# KiCad board [DFR1142]Lite Carrier for LattePanda Mu.kicad_pcb
title: Primer Carrier for LattePanda Mu; date: 2024-04-06; rev: V1.0.0; company: DFRobot; note: 20240406
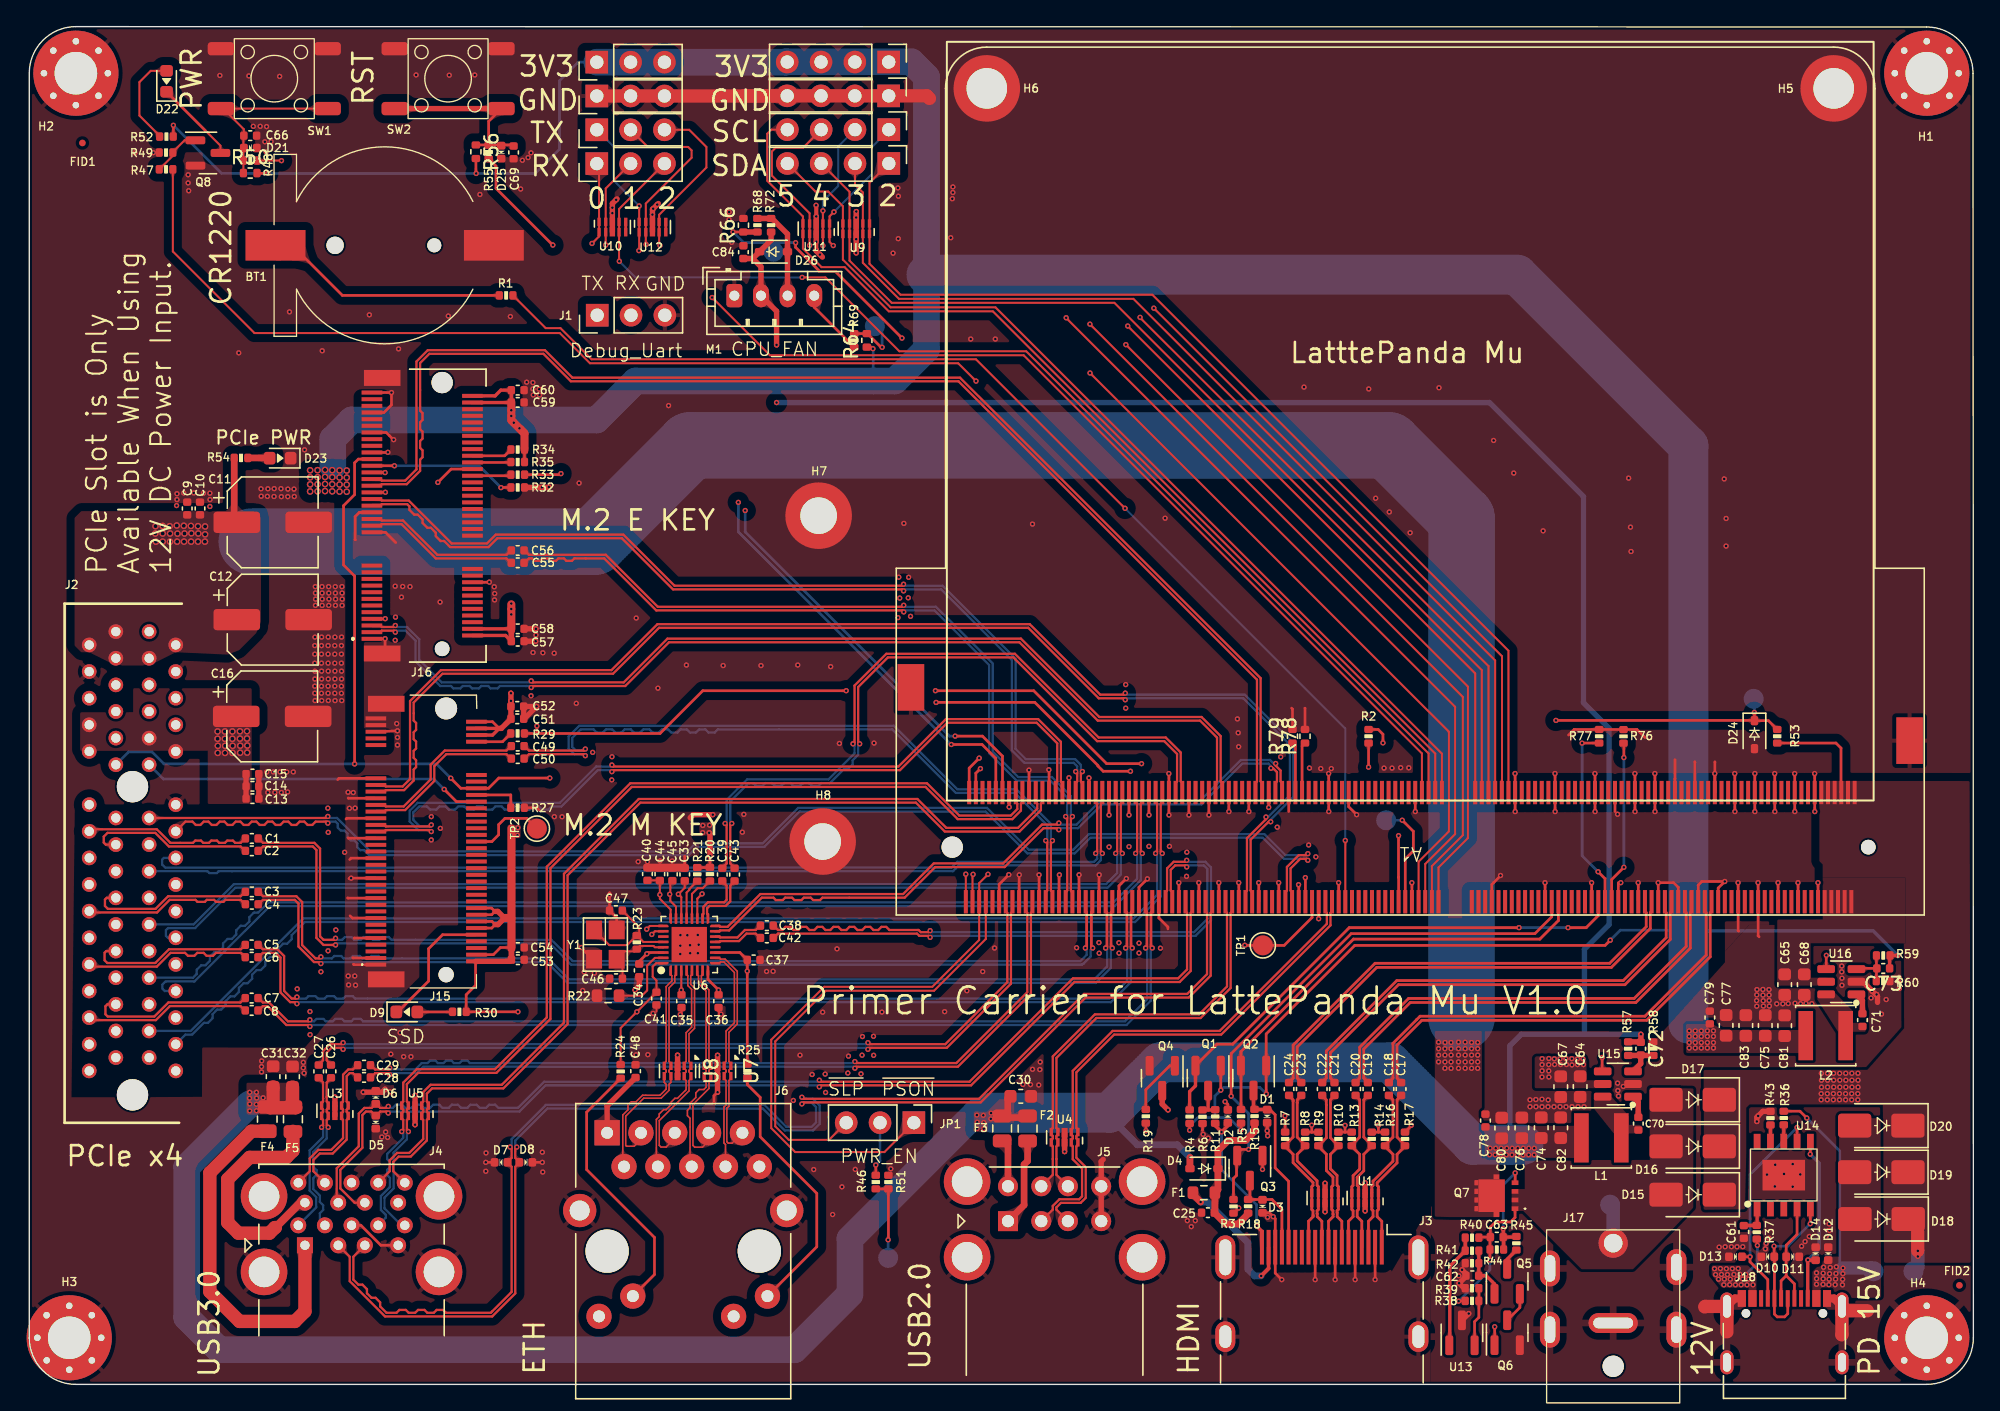
[diagram p0: board, top side]
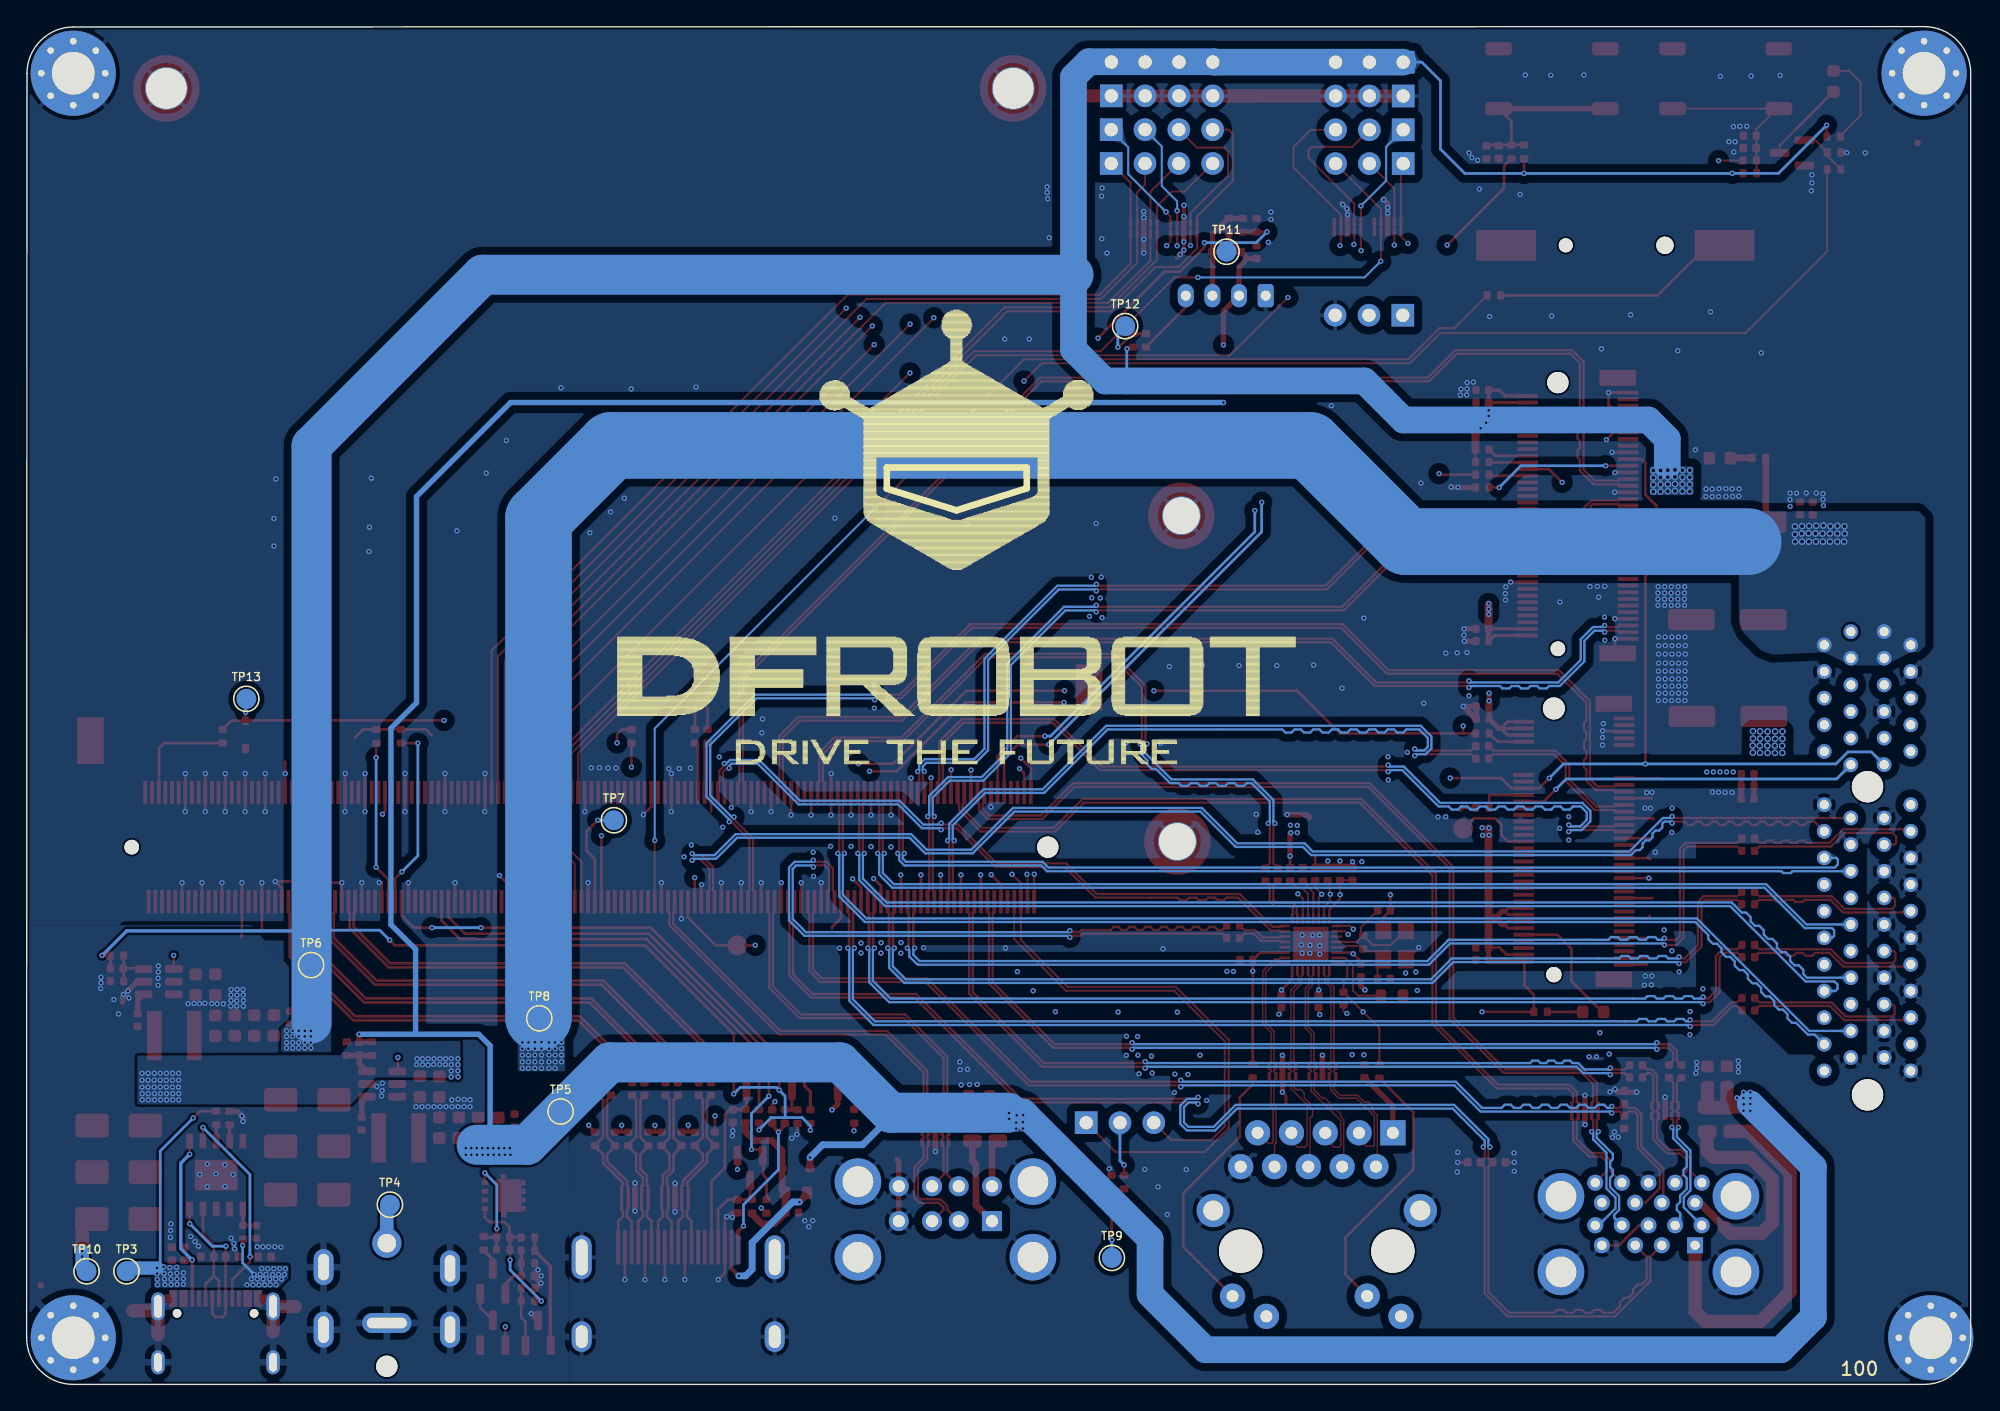
[diagram p1: board, bottom side, seen from below]

Outline 146 x 102 mm; copper layers: Top, In1.GND (plane), In2.PWR (plane), Bottom. Coordinates in mm from the lower left corner of the outline.
Outline path: 0,98.5 arc(1.03,100.97) 3.5,102 142.47,101.97 arc(144.95,100.95) 145.97,98.47 146,3.5 arc(144.97,1.03) 142.5,0 3.5,0 arc(1.03,1.03) 0,3.5 0,98.5
Stack: Top 0.035mm / dielectric 0.2104mm FR4 er 4.5 / In1.GND 0.0152mm / dielectric 1.065mm FR4 er 4.5 / In2.PWR 0.0152mm / dielectric 0.2104mm FR4 er 4.5 / Bottom 0.035mm

## Placement (name value [footprint] x y rotation side)
A1  LattePanda_Mu  [LattePanda_Module_H8.0mm_Horizontal]  103.71 40.36 180 top
BT1  Battery_Cell  [Battery_Holder_CR1220_S8411-45R]  26.69 85.57 270 top
C1  220nF/50V  [C_0402_1005Metric]  16.71 41.01 180 top
C2  220nF/50V  [C_0402_1005Metric]  16.71 40.08 180 top
C3  220nF/50V  [C_0402_1005Metric]  16.71 37 180 top
C4  220nF/50V  [C_0402_1005Metric]  16.71 36.07 180 top
C5  220nF/50V  [C_0402_1005Metric]  16.7 33.02 180 top
C6  220nF/50V  [C_0402_1005Metric]  16.7 32.09 180 top
C7  220nF/50V  [C_0402_1005Metric]  16.7 29.02 180 top
C8  220nF/50V  [C_0402_1005Metric]  16.7 28.09 180 top
C9  100nF/50V  [C_0402_1005Metric]  11.86 65.8 90 top
C10  100nF/50V  [C_0402_1005Metric]  12.82 65.8 90 top
C11  100uF/25V  [CP_Elec_6.3x7.7]  18.28 64.76 0 top
C12  100uF/25V  [CP_Elec_6.3x7.7]  18.28 57.45 0 top
C13  100nF/50V  [C_0402_1005Metric]  16.76 44 180 top
C14  10uF/10V  [C_0402_1005Metric]  16.76 44.93 180 top
C15  100nF/50V  [C_0402_1005Metric]  16.76 45.85 0 top
C16  560uF/25V  [CP_Elec_6.3x7.7]  18.24 50.18 0 top
C17  100nF/50V  [C_0402_1005Metric]  103.02 22.19 270 top
C18  100nF/50V  [C_0402_1005Metric]  102.1 22.19 270 top
C19  100nF/50V  [C_0402_1005Metric]  100.52 22.19 270 top
C20  100nF/50V  [C_0402_1005Metric]  99.6 22.19 270 top
C21  100nF/50V  [C_0402_1005Metric]  98.02 22.19 270 top
C22  100nF/50V  [C_0402_1005Metric]  97.1 22.19 270 top
C23  100nF/50V  [C_0402_1005Metric]  95.53 22.19 270 top
C24  100nF/50V  [C_0402_1005Metric]  94.61 22.19 270 top
C25  100nF/50V  [C_0402_1005Metric]  88.51 12.9 180 top
C26  100nF/50V  [C_0402_1005Metric]  22.66 23.51 270 top
C27  100nF/50V  [C_0402_1005Metric]  21.74 23.51 270 top
C28  100nF/50V  [C_0402_1005Metric]  25.14 23.06 180 top
C29  100nF/50V  [C_0402_1005Metric]  25.14 23.98 180 top
C30  22uF/10V  [C_0603_1608Metric]  74.46 21.64 180 top
C31  22uF/10V  [C_0603_1608Metric]  18.31 23.12 270 top
C32  22uF/10V  [C_0603_1608Metric]  19.77 23.11 270 top
C33  100nF/50V  [C_0402_1005Metric]  49.23 38.31 270 top
C34  100nF/50V  [C_0402_1005Metric]  45.81 31.1 90 top
C35  100nF/50V  [C_0402_1005Metric]  48.98 28.79 90 top
C36  100nF/50V  [C_0402_1005Metric]  51.77 28.79 90 top
C37  100nF/50V  [C_0402_1005Metric]  54.4 31.89 180 top
C38  100nF/50V  [C_0402_1005Metric]  55.39 34.46 0 top
C39  100nF/50V  [C_0402_1005Metric]  52.05 38.3 90 top
C40  100nF/50V  [C_0402_1005Metric]  46.43 38.34 270 top
C41  100nF/50V  [C_0402_1005Metric]  47.1 28.98 90 top
C42  100nF/50V  [C_0402_1005Metric]  55.39 33.54 0 top
C43  100nF/50V  [C_0402_1005Metric]  52.97 38.3 90 top
C44  10uF/10V  [C_0402_1005Metric]  47.36 38.33 270 top
C45  100nF/50V  [C_0402_1005Metric]  48.3 38.32 270 top
C46  12pF/50V  [C_0402_1005Metric]  44.07 30.48 0 top
C47  12pF/50V  [C_0402_1005Metric]  44.06 35.6 0 top
C48  100nF/50V  [C_0402_1005Metric]  45.53 23.53 90 top
C49  220nF/50V  [C_0402_1005Metric]  36.68 47.95 180 top
C50  220nF/50V  [C_0402_1005Metric]  36.68 47.01 180 top
C51  10uF/10V  [C_0402_1005Metric]  36.65 50 180 top
C52  100nF/50V  [C_0402_1005Metric]  36.65 50.93 180 top
C53  10uF/10V  [C_0402_1005Metric]  36.69 31.9 180 top
C54  100nF/50V  [C_0402_1005Metric]  36.69 32.82 180 top
C55  220nF/50V  [C_0402_1005Metric]  36.68 61.72 180 top
C56  220nF/50V  [C_0402_1005Metric]  36.68 62.65 180 top
C57  10uF/10V  [C_0402_1005Metric]  36.68 55.83 180 top
C58  100nF/50V  [C_0402_1005Metric]  36.68 56.76 180 top
C59  10uF/10V  [C_0402_1005Metric]  36.68 73.77 180 top
C60  100nF/50V  [C_0402_1005Metric]  36.68 74.69 180 top
C61  1uF/16V  [C_0402_1005Metric]  128.76 11.45 270 top
C62  1uF/16V  [C_0402_1005Metric]  108.37 8.16 180 top
C63  1uF/16V  [C_0402_1005Metric]  110.21 11.06 180 top
C64  22uF/10V  [C_0603_1608Metric]  116.47 22.37 90 top
C65  22uF/10V  [C_0603_1608Metric]  131.83 30.03 90 top
C66  1uF/16V  [C_0402_1005Metric]  16.59 93.81 0 top
C67  22uF/10V  [C_0603_1608Metric]  115.01 22.36 90 top
C68  22uF/10V  [C_0603_1608Metric]  133.3 30.03 90 top
C69  1uF/16V  [C_0402_1005Metric]  36.37 92.55 270 top
C70  100nF/50V  [C_0402_1005Metric]  120.84 19.59 90 top
C71  100nF/50V  [C_0402_1005Metric]  137.67 27.37 90 top
C72  12pF/50V  [C_0402_1005Metric]  121.02 25.22 270 top  (not fitted)
C73  12pF/50V  [C_0402_1005Metric]  139.23 31.25 180 top  (not fitted)
C74  22uF/10V  [C_0603_1608Metric]  113.55 19.28 270 top
C75  22uF/10V  [C_0603_1608Metric]  130.37 26.96 270 top
C76  22uF/10V  [C_0603_1608Metric]  112.09 19.27 270 top
C77  22uF/10V  [C_0603_1608Metric]  127.43 26.97 270 top
C78  100nF/50V  [C_0402_1005Metric]  109.36 19.82 90 top
C79  100nF/50V  [C_0402_1005Metric]  126.21 27.56 90 top
C80  22uF/10V  [C_0603_1608Metric]  110.58 19.26 270 top
C81  22uF/10V  [C_0603_1608Metric]  131.83 26.94 270 top
C82  22uF/10V  [C_0603_1608Metric]  115.01 19.28 270 top
C83  22uF/10V  [C_0603_1608Metric]  128.91 26.96 270 top
C84  100nF/50V  [C_0402_1005Metric]  53.63 85.06 90 top
D1  ESD5V0B03  [D_0402_1005Metric]  92.96 20.15 90 top
D2  ESD5V0B03  [D_0402_1005Metric]  90.01 20.14 270 top
D3  ESD5V0B03  [D_0402_1005Metric]  92.61 13.38 90 top
D4  1N5819WS  [D_SOD-323]  88.21 16.21 180 top
D5  ESD5V0B03  [D_0402_1005Metric]  26.02 19.7 90 top
D6  ESD5V0B03  [D_0402_1005Metric]  26.02 21.56 270 top
D7  ESD5V0B03  [D_0402_1005Metric]  35.43 16.68 0 top
D8  ESD5V0B03  [D_0402_1005Metric]  37.29 16.68 180 top
D9  LED_G  [LED_0603_1608Metric]  28.35 27.98 0 top
D10  ESD5V0B03  [D_0402_1005Metric]  130.56 9.59 0 top
D11  ESD5V0B03  [D_0402_1005Metric]  132.43 9.59 180 top
D12  PESD24VS1UL-N  [D_0402_1005Metric]  135.1 9.82 90 top
D13  PESD24VS1UL-N  [D_0402_1005Metric]  128.13 9.59 180 top
D14  PESD24VS1UL-N  [D_0402_1005Metric]  134.16 9.81 90 top
D15  SS54  [D_SMA]  124.92 14.25 180 top
D16  SS54  [D_SMA]  124.92 17.88 180 top
D17  SS54  [D_SMA]  124.92 21.38 180 top
D18  SS54  [D_SMA]  139.11 12.42 180 top
D19  SS54  [D_SMA]  139.09 15.94 180 top
D20  SS54  [D_SMA]  139.08 19.44 180 top
D21  ESD5V0B03  [D_0402_1005Metric]  16.6 92.88 180 top
D22  LED_G  [LED_0603_1608Metric]  10.31 97.89 90 top
D23  LED_G  [LED_0603_1608Metric]  18.84 69.58 180 top
D24  3V3 Izt=5mA  [D_SOD-323]  129.56 48.81 270 top
D25  ESD5V0B03  [D_0402_1005Metric]  35.44 92.57 90 top
D26  1N5819WS  [D_SOD-323]  55.89 85.09 0 top
F1  6V/50mA  [R_0603_1608Metric]  88.21 14.4 180 top
F2  6V/1A  [Fuse_0805_2012Metric]  74.97 19.22 270 top
F3  6V/1A  [Fuse_0805_2012Metric]  73.06 19.23 270 top
F4  6V/2A  [R_0805_2012Metric]  17.87 19.93 270 top
F5  6V/2A  [Fuse_0805_2012Metric]  19.8 19.92 270 top
FID1  Fiducial  [Fiducial_0.5mm_Mask1mm]  3.99 93.26 0 top
FID2  Fiducial  [Fiducial_0.5mm_Mask1mm]  144.95 7.44 0 top
H1  MountingHole_Pad  [MountingHole_3.2mm_M3_Pad_Via]  142.5 98.5 0 top
H2  MountingHole_Pad  [MountingHole_3.2mm_M3_Pad_Via]  3.5 98.5 0 top
H3  MountingHole_Pad  [MountingHole_3.2mm_M3_Pad_Via]  3 3.5 0 top
H4  MountingHole_Pad  [MountingHole_3.2mm_M3_Pad_Via]  142.5 3.5 0 top
H5  MountingHole_Pad  [MountingHole_3mm_M2_Pad_TopOnly]  135.51 97.36 180 top
H6  MountingHole_Pad  [MountingHole_3mm_M2_Pad_TopOnly]  71.91 97.36 180 top
H7  MountingHole_M2.0  [MountingHole_2.7mm_M2_Pad_TopOnly]  59.28 65.26 90 top
H8  MountingHole_M2.0  [MountingHole_2.7mm_M2_Pad_TopOnly]  59.58 40.78 90 top
J1  Conn_01x03_Pin  [PinHeader_1x03_P2.54mm_Vertical]  42.65 80.32 90 top
J2  Bus_PCI_Express_x4  [PCIe_x4_Gen3Slot_Connectors]  9 56.55 270 top
J3  HDMI_A  [HDMI_A_Molex_208658-1001_Horizontal]  97.07 7.02 270 top
J4  USB3_A_Stacked  [USB3_A_Molex_48406-0001_Horizontal_Stacked]  20.7 10.45 0 top
J5  USB_A_Stacked  [USB_A_CUI_UJ2-ADH-TH_Horizontal_Stacked]  73.5 12.26 90 top
J6  RJ45_RB1-125B8G1A  [RJ45_UDE_RB1-125B8G1A]  43.4 18.9 0 top
J7  Conn_01x04_Pin  [PinHeader_1x04_P2.54mm_Vertical]  64.55 91.72 270 top
J8  Conn_01x03_Pin  [PinHeader_1x03_P2.54mm_Vertical]  42.62 91.71 90 top
J9  Conn_01x04_Pin  [PinHeader_1x04_P2.54mm_Vertical]  64.55 94.26 270 top
J10  Conn_01x03_Pin  [PinHeader_1x03_P2.54mm_Vertical]  42.62 94.25 90 top
J11  Conn_01x03_Pin  [PinHeader_1x03_P2.54mm_Vertical]  42.62 96.79 90 top
J12  Conn_01x04_Pin  [PinHeader_1x04_P2.54mm_Vertical]  64.54 96.8 270 top
J13  Conn_01x04_Pin  [PinHeader_1x04_P2.54mm_Vertical]  64.54 99.34 270 top
J14  Conn_01x03_Pin  [PinHeader_1x03_P2.54mm_Vertical]  42.62 99.33 90 top
J15  Bus_M.2_Socket_M  [PCIe_M.2_Connectors_P=0.5mm_H=4.2mm_KeyM]  29.61 40.78 90 top
J16  Bus_M.2_Socket_E  [PCIe_M.2_Connectors_P=0.5mm_H=4.2mm_KeyE]  25.73 56.01 90 top
J17  Barrel_Jack_Switch  [DC_Jack_DC007B_30V_10A]  118.95 -1.39 180 top
J18  USB_C_Receptacle_USB2.0  [USB_C_Receptacle_G-Switch_GT-USB-7010ASV]  131.81 2.73 0 top
JP1  Jumper_3_Bridged12  [PinHeader_1x03_P2.54mm_Vertical]  66.43 19.66 270 top
L1  2.2uH/4.3A  [L_Sunlord_SWPA4020S]  118.06 18.52 180 top
L2  2.2uH/4.3A  [L_Sunlord_SWPA4020S]  134.91 26.2 180 top
M1  Fan_4pin  [JST_PH_B4B-PH-K_1x04_P2.00mm_Vertical]  52.95 81.79 0 top
Q1  2N7002  [SOT-23]  88.53 23.01 270 top
Q2  2SK3018  [SOT-23]  91.94 23.01 270 top
Q3  2SK3018  [SOT-23]  91.66 16.25 270 top
Q4  2SK3018  [SOT-23]  85.08 23 270 top
Q5  2N7002  [SOT-23]  110.99 7.74 90 top
Q6  2N7002  [SOT-23]  110.99 3.88 90 top
Q7  NCE30P28Q  [MOSFET_PDFN8_3.3x3.3]  110.18 14.17 90 top
Q8  2N7002  [SOT-23]  13.42 92.51 0 top
R1  1K/1%  [R_0402_1005Metric]  35.81 81.81 180 top
R2  10K/1%  [R_0402_1005Metric]  100.58 48.69 90 top
R3  2.2K/1%  [R_0402_1005Metric]  90.43 13.37 90 top
R4  1M/1%  [R_0402_1005Metric]  87.14 20.12 90 top
R5  2.2K/1%  [R_0402_1005Metric]  91 20.14 90 top
R6  21.5K/1%  [R_0402_1005Metric]  88.11 20.11 270 top
R7  470R/1%  [R_0402_1005Metric]  94.31 18.44 90 top
R8  470R/1%  [R_0402_1005Metric]  95.81 18.44 90 top
R9  470R/1%  [R_0402_1005Metric]  96.81 18.44 90 top
R10  470R/1%  [R_0402_1005Metric]  98.31 18.44 90 top
R11  1K/1%  [R_0402_1005Metric]  89.06 20.13 270 top
R13  470R/1%  [R_0402_1005Metric]  99.31 18.44 90 top
R14  470R/1%  [R_0402_1005Metric]  100.81 18.44 90 top
R15  2.2K/1%  [R_0402_1005Metric]  92.01 20.15 90 top
R16  470R/1%  [R_0402_1005Metric]  101.81 18.44 90 top
R17  470R/1%  [R_0402_1005Metric]  103.31 18.44 90 top
R18  2.2K/1%  [R_0402_1005Metric]  91.53 13.38 90 top
R19  2.2K/1%  [R_0402_1005Metric]  83.85 20.14 90 top
R20  10K/1%  [R_0402_1005Metric]  51.12 38.33 270 top
R21  10K/1%  [R_0402_1005Metric]  50.17 38.32 270 top
R22  2.49K/1%  [R_0603_1608Metric]  43.47 29.2 0 top
R23  1M/1%  [R_0402_1005Metric]  45.62 33.21 90 top
R24  470R/1%  [R_0402_1005Metric]  44.41 23.51 90 top
R25  470R/1%  [R_0402_1005Metric]  53.93 23.55 90 top
R27  0R/1%  [R_0402_1005Metric]  36.67 43.32 0 top
R29  0R/1%  [R_0402_1005Metric]  36.67 48.9 0 top
R30  2.2K/1%  [R_0402_1005Metric]  32.3 27.99 0 top
R32  0R/1%  [R_0402_1005Metric]  36.68 67.38 0 top
R33  0R/1%  [R_0402_1005Metric]  36.68 68.34 0 top
R34  10K/1%  [R_0402_1005Metric]  36.68 70.23 0 top
R35  10K/1%  [R_0402_1005Metric]  36.68 69.29 180 top
R36  10K/1%  [R_0402_1005Metric]  131.76 20.01 270 top
R37  1K/1%  [R_0402_1005Metric]  129.73 11.43 90 top
R38  10K/1%  [R_0402_1005Metric]  108.35 6.27 180 top
R39  2.2K/1%  [R_0402_1005Metric]  108.35 7.22 0 top
R40  10K/1%  [R_0402_1005Metric]  108.35 11.02 0 top
R41  21.5K/1%  [R_0402_1005Metric]  108.35 10.04 180 top
R42  21.5K/1%  [R_0402_1005Metric]  108.35 9.1 0 top
R43  56K/1%  [R_0402_1005Metric]  130.76 20 90 top
R44  100K/1%  [R_0402_1005Metric]  110.21 10.13 180 top
R45  100K/1%  [R_0402_1005Metric]  111.68 10.6 90 top
R46  100R/1%  [R_0402_1005Metric]  63.57 15.2 270 top
R47  1K/1%  [R_0402_1005Metric]  10.27 91.28 180 top
R48  100R/1%  [R_0402_1005Metric]  16.6 91.94 0 top
R49  10K/1%  [R_0402_1005Metric]  10.27 92.54 0 top
R50  10K/1%  [R_0402_1005Metric]  16.59 91 0 top  (not fitted)
R51  100K/1%  [R_0402_1005Metric]  64.52 15.2 270 top
R52  2.2K/1%  [R_0402_1005Metric]  10.3 93.74 0 top
R53  2.2K/1%  [R_0402_1005Metric]  131.27 48.69 90 top
R54  21.5K/1%  [R_0402_1005Metric]  15.9 69.6 0 top
R55  100R/1%  [R_0402_1005Metric]  34.5 92.58 270 top
R56  10K/1%  [R_0402_1005Metric]  33.54 92.6 270 top  (not fitted)
R57  75K/1%  [R_0402_1005Metric]  120.08 25.22 90 top
R58  10K/1%  [R_0402_1005Metric]  121.96 25.22 270 top
R59  21.5K/1%  [R_0402_1005Metric]  139.23 32.22 0 top
R60  4.7K/1%  [R_0402_1005Metric]  139.22 30.3 180 top
R64  4.7K/1%  [R_0402_1005Metric]  62.9 78.43 90 top  (not fitted)
R66  21.5K/1%  [R_0402_1005Metric]  53.63 87.08 90 top  (not fitted)
R68  21.5K/1%  [R_0402_1005Metric]  54.68 87.08 270 top
R69  100R/1%  [R_0402_1005Metric]  61.95 78.43 270 top
R72  4.7K/1%  [R_0402_1005Metric]  55.71 87.08 90 top
R76  100K/1%  [R_0402_1005Metric]  119.73 48.68 90 top
R77  100K/1%  [R_0402_1005Metric]  117.9 48.69 90 top
R78  10K/1%  [R_0402_1005Metric]  95.8 48.69 90 top
R79  10K/1%  [R_0402_1005Metric]  94.86 48.69 90 top
SW1  SW_Push  [SW_Push_6x6x6]  18.4 98.09 180 top
SW2  SW_Push  [SW_Push_6x6x6]  31.45 98.09 180 top
TP1  TestPoint  [TestPoint_Pad_D1.5mm]  92.64 32.98 90 top
TP2  TestPoint  [TestPoint_Pad_D1.5mm]  38.12 41.75 90 top
TP3  TestPoint  [TestPoint_Pad_D1.5mm]  138.5 8.5 180 bottom
TP4  TestPoint  [TestPoint_Pad_D1.5mm]  118.72 13.5 180 bottom
TP5  TestPoint  [TestPoint_Pad_D1.5mm]  105.9 20.5 180 bottom
TP6  TestPoint  [TestPoint_Pad_D1.5mm]  124.64 31.5 180 bottom
TP7  TestPoint  [TestPoint_Pad_D1.5mm]  101.9 42.38 180 bottom
TP8  TestPoint  [TestPoint_Pad_D1.5mm]  107.5 27.5 180 bottom
TP9  TestPoint  [TestPoint_Pad_D1.5mm]  64.5 9.5 180 bottom
TP10  TestPoint  [TestPoint_Pad_D1.5mm]  141.5 8.5 180 bottom
TP11  TestPoint  [TestPoint_Pad_D1.5mm]  55.89 85.09 180 bottom
TP12  TestPoint  [TestPoint_Pad_D1.5mm]  63.5 79.5 180 bottom
TP13  TestPoint  [TestPoint_Pad_D1.5mm]  129.5 51.5 180 bottom
U1  TPAZ1023-04F  [Diodes_UDFN-10_1.0x2.5mm_P0.5mm]  100.32 14 270 top
U2  TPAZ1023-04F  [Diodes_UDFN-10_1.0x2.5mm_P0.5mm]  97.31 14 270 top
U3  ULC0524P  [Diodes_UDFN-10_1.0x2.5mm_P0.5mm]  22.95 20.56 270 top
U4  ULC0524P  [Diodes_UDFN-10_1.0x2.5mm_P0.5mm#2]  77.75 18.57 270 top
U5  ULC0524P  [Diodes_UDFN-10_1.0x2.5mm_P0.5mm]  28.97 20.56 270 top
U6  RTL8111H-CG-RH  [QFN-32-1EP_4x4mm_P0.4mm_EP2.65x2.65mm]  49.57 33.04 90 top
U7  ULC0524P  [Diodes_UDFN-10_1.0x2.5mm_P0.5mm#2]  51.69 23.55 270 top  (not fitted)
U8  ULC0524P  [Diodes_UDFN-10_1.0x2.5mm_P0.5mm#2]  48.69 23.54 270 top  (not fitted)
U9  ULC0524P  [Diodes_UDFN-10_1.0x2.5mm_P0.5mm]  62.1 86.82 270 top
U10  ULC0524P  [Diodes_UDFN-10_1.0x2.5mm_P0.5mm]  43.79 86.94 90 top
U11  ULC0524P  [Diodes_UDFN-10_1.0x2.5mm_P0.5mm]  59.1 86.82 270 top
U12  ULC0524P  [Diodes_UDFN-10_1.0x2.5mm_P0.5mm]  46.8 86.94 90 top
U13  TL431DBZ  [SOT-23]  107.59 3.87 90 top
U14  CH224K  [ESSOP-10-1EP_3.9x5mm_P1.0mm_EP3.2x2.3]  131.76 15.72 90 top
U15  SY8253ADC  [TSOT-23-6]  119.3 22.56 180 top
U16  SY8253ADC  [TSOT-23-6]  136.08 30.25 180 top
Y1  25MHz  [Crystal_SMD_3225-4Pin_3.2x2.5mm]  43.27 33.04 270 top

## Library data of the parts
A1 = -: Description: A micro computing module with x86 processer, RAM and eMMC.; ki_fp_filters: *LattePanda*
BT1 = -: Buy_Link: https://item.szlcsc.com/1049689.html; DF_Comment: CR1220电池底座_BS-12-B3AA003
C1-C8 C49 C50 C55 C56 = -: Buy_Link: https://item.szlcsc.com/137804.html; DF_Comment: 贴片电容0402-220nF-16V-X7R(0402)_GCM155R71C224KE02D; SCH_Show_Footprint: C0402; ki_fp_filters: C_*
C9 C10 C13 C15 C17-C29 C33-C43 C45 C48 C52 C54 C58 C60 C70 C71 C78 C79 C84 = -: DF_Comment: 贴片电容0402-100nF-50V-X7R_CC0402KRX7R9BB104; SCH_Show_Footprint: C0402; ki_fp_filters: C_*
C11 C12 = -: DF_Comment: 贴片铝电解6.3*7.7-100uF-25V; SCH_Show_Footprint: C5x5.8; ki_fp_filters: CP_*
C14 C44 C51 C53 C57 C59 = -: DF_Comment: 贴片电容0402-10UF-10V-X5R_GRM155R61A106ME44D; SCH_Show_Footprint: C0402; ki_fp_filters: C_*
C16 = -: DF_Comment: 贴片铝电解电容6.3*7.7-470UF-6.3V; SCH_Show_Footprint: C5x5.8; ki_fp_filters: CP_*
C30-C32 C64 C65 C67 C68 C74-C77 C80-C83 = -: DF_Comment: 贴片电容0603-22uF-10V-X5R(0603); SCH_Show_Footprint: C603; ki_fp_filters: C_*
C46 C47 C72 C73 = -: DF_Comment: 贴片电容0402-12pF-50V-NPO(0402); SCH_Show_Footprint: C0402; ki_fp_filters: C_*
C61-C63 C66 C69 = -: DF_Comment: 贴片电容0402-1uF-16V-X5R(0402); SCH_Show_Footprint: C0402; ki_fp_filters: C_*
D1-D3 D5-D8 D10 D11 D21 D25 = -: Datasheet: https://www.onsemi.com/pub/Collateral/ESD9B-D.PDF; Buy_Link: https://item.szlcsc.com/539388.html; DF_Comment: 双向静电保护二极管_ESD5V0B03-1006_DFN1006; SCH_Show_Footprint: D0402; ki_fp_filters: D*SOD?923*
D4 D26 = -: Datasheet: https://datasheet.lcsc.com/lcsc/2204281430_Guangdong-Hottech-1N5819WS_C191023.pdf; DF_Comment: 二极管-1N5819W-SOD323备选型号:B5819WS、JSPD140A; SCH_Show_Footprint: SOD-323; ki_fp_filters: D*SOD?323*
D9 = -: DF_Comment: 贴片LED蓝色0603(0603); SCH_Show_Footprint: LED0603; ki_fp_filters: LED* LED_SMD:* LED_THT:*
D12-D14 = -: Buy_Link: https://item.szlcsc.com/393990.html; DF_Comment: 单向ESD-PESD24VS1UL-N-DFN1006; SCH_Show_Footprint: D0402; ki_fp_filters: TO-???* *_Diode_* *SingleDiode* D_*
D15-D20 = -: DF_Comment: 二极管-SS54-SMA(SMA); SCH_Show_Footprint: SMA; ki_fp_filters: TO-???* *_Diode_* *SingleDiode* D_*
D22 D23 = -: DF_Comment: 贴片LED红色0603(0603); SCH_Show_Footprint: LED0603; ki_fp_filters: LED* LED_SMD:* LED_THT:*
D24 = -: Description: Schottky diode; DF_Comment: 稳压二极管-MM3Z3V3-3.3V-SOD323(SOD-323); ki_fp_filters: TO-???* *_Diode_* *SingleDiode* D_*
F1 = -: Buy_Link: https://item.szlcsc.com/8530937.html; DF_Comment: 0603贴片自恢复保险丝0.05A/6V-0603L005/6AR; SCH_Show_Footprint: R0805; ki_fp_filters: *Fuse*
F2 F3 = -: Buy_Link: https://item.szlcsc.com/947770.html; DF_Comment: 0805贴片自恢复保险丝1A/6V-BSMD0805-100-6V; SCH_Show_Footprint: R0603; ki_fp_filters: *Fuse*
F4 F5 = -: Buy_Link: https://item.szlcsc.com/947787.html; DF_Comment: 0805贴片自恢复保险丝2A/6V-BSMD0805L-200; SCH_Show_Footprint: R0805; ki_fp_filters: *Fuse*
FID1 FID2 = -: ki_fp_filters: Fiducial*
H1-H4 = -: ki_fp_filters: MountingHole*Pad*
H5 H6 = -: DF_Comment: 贴片螺母柱M2XC4X5.5+C3X1.5; Buy_Link: https://item.taobao.com/item.htm?abbucket=8&id=655855111684&ns=1&skuId=4725777108077&spm=a21n57.1.0.0.5263523chYMn0X; ki_fp_filters: MountingHole*Pad*
H7 H8 = -: Buy_Link: https://item.taobao.com/item.htm?abbucket=8&id=655855111684&ns=1&skuId=4725777108077&spm=a21n57.1.0.0.5263523chYMn0X; DF_Comment: 贴片螺母柱M2XC4X2.5+C2.7X1.5; ki_fp_filters: MountingHole*Pad*
J1 J11 = -: DF_Comment: 2.54黑色单排排针-3P; ki_fp_filters: Connector*:*_1x??_*
J2 = -: Datasheet: http://www.ritrontek.com/uploadfile/2016/1026/20161026105231124.pdf#page=63; Buy_Link: https://item.szlcsc.com/3251630.html; DF_Comment: PCI-e x4 直插母座_AAA-PCI-161-K03; ki_fp_filters: *PCIexpress*
J3 = -: Datasheet: https://en.wikipedia.org/wiki/HDMI; DF_Comment: 直插式HDMI母座-19Pin(19PIN); ki_fp_filters: HDMI*A*
J4 = -: Buy_Link: https://item.szlcsc.com/3132965.html; DF_Comment: 双层USB3.0 A母座_USB-303WSD-BRY; ki_fp_filters: USB3?A*Stacked*
J5 = -: DF_Comment: USB2.0-A型双层白胶母座; ki_fp_filters: USB*
J6 = -: Datasheet: https://datasheet.lcsc.com/szlcsc/1901091107_UDE-Corp-RB1-125B8G1A_C363353.pdf; Buy_Link: https://item.szlcsc.com/337919.html; DF_Comment: RJ45_UDE_RB1-125B8G1A; ki_fp_filters: RJ45*UDE*RB1*125B8G1A*
J7 = -: DF_Comment: 2.54绿色单排排针-4P; ki_fp_filters: Connector*:*_1x??_*
J8 = -: DF_Comment: 2.54绿色单排排针-3P; ki_fp_filters: Connector*:*_1x??_*
J9 = -: DF_Comment: 2.54蓝色单排排针-4P; ki_fp_filters: Connector*:*_1x??_*
J10 = -: DF_Comment: 2.54蓝色单排排针-3P; ki_fp_filters: Connector*:*_1x??_*
J12 = -: DF_Comment: 2.54黑色单排排针-4P; ki_fp_filters: Connector*:*_1x??_*
J13 = -: DF_Comment: 2.54红色单排排针-4P; ki_fp_filters: Connector*:*_1x??_*
J14 = -: DF_Comment: 2.54红色单排排针-3P; ki_fp_filters: Connector*:*_1x??_*
J15 = -: Datasheet: http://read.pudn.com/downloads794/doc/project/3133918/PCIe_M.2_Electromechanical_Spec_Rev1.0_Final_11012013_RS_Clean.pdf#page=155; Buy_Link: https://item.szlcsc.com/8568582.html; DF_Comment: M.2连接器KEY-M_H4.2mm-67P_APCI0107-P001A; ki_fp_filters: *M*2*M*
J16 = -: Datasheet: http://read.pudn.com/downloads794/doc/project/3133918/PCIe_M.2_Electromechanical_Spec_Rev1.0_Final_11012013_RS_Clean.pdf#page=150; Buy_Link: https://item.szlcsc.com/8568583.html; DF_Comment: M.2连接器KEY-E_H4.2mm-67P_APCI0108-P001A; ki_fp_filters: *M*2*E*
J17 = -: Buy_Link: https://item.szlcsc.com/19360929.html; DF_Comment: 12V/10A DC2.5母座; ki_fp_filters: BarrelJack*
J18 = -: Datasheet: https://www.usb.org/sites/default/files/documents/usb_type-c.zip; DF_Comment: USB-Type-C卧式贴片母座(TYPE-C-31-M-12); ki_fp_filters: USB*C*Receptacle*
JP1 = -: DF_Comment: 2.54黑色单排排针-3P; ki_fp_filters: Jumper* TestPoint*3Pads* TestPoint*Bridge*
L1 L2 = -: DF_Comment: 贴片屏蔽电感2.2uH_4.0*4.0*2.0_4.3A; ki_fp_filters: Choke_* *Coil* Inductor_* L_*
M1 = -: Datasheet: http://www.formfactors.org/developer%5Cspecs%5Crev1_2_public.pdf; Buy_Link: https://item.szlcsc.com/255571.html; DF_Comment: JST-B4B-PH-K(LF)(SN); ki_fp_filters: FanPinHeader*P2.54mm*Vertical* PinHeader*P2.54mm*Vertical* TerminalBlock*
Q1 Q5 Q6 Q8 = -: Datasheet: https://www.onsemi.com/pub/Collateral/NDS7002A-D.PDF; DF_Comment: 2N7002-N沟道MOS管-SOT-23[备选型号:JMTL2N7002K]; ki_fp_filters: SOT?23*
Q2-Q4 = -: Datasheet: https://www.onsemi.com/pub/Collateral/NDS7002A-D.PDF; Buy_Link: https://item.szlcsc.com/774253.html; DF_Comment: NMOS_2SK3018_SOT-23; ki_fp_filters: SOT?23*